# Allegro board 1156197-TDI_VU3P_QSFP28_CXP_V001_1023A-166-20241121_1644_PCB.brd (continued)
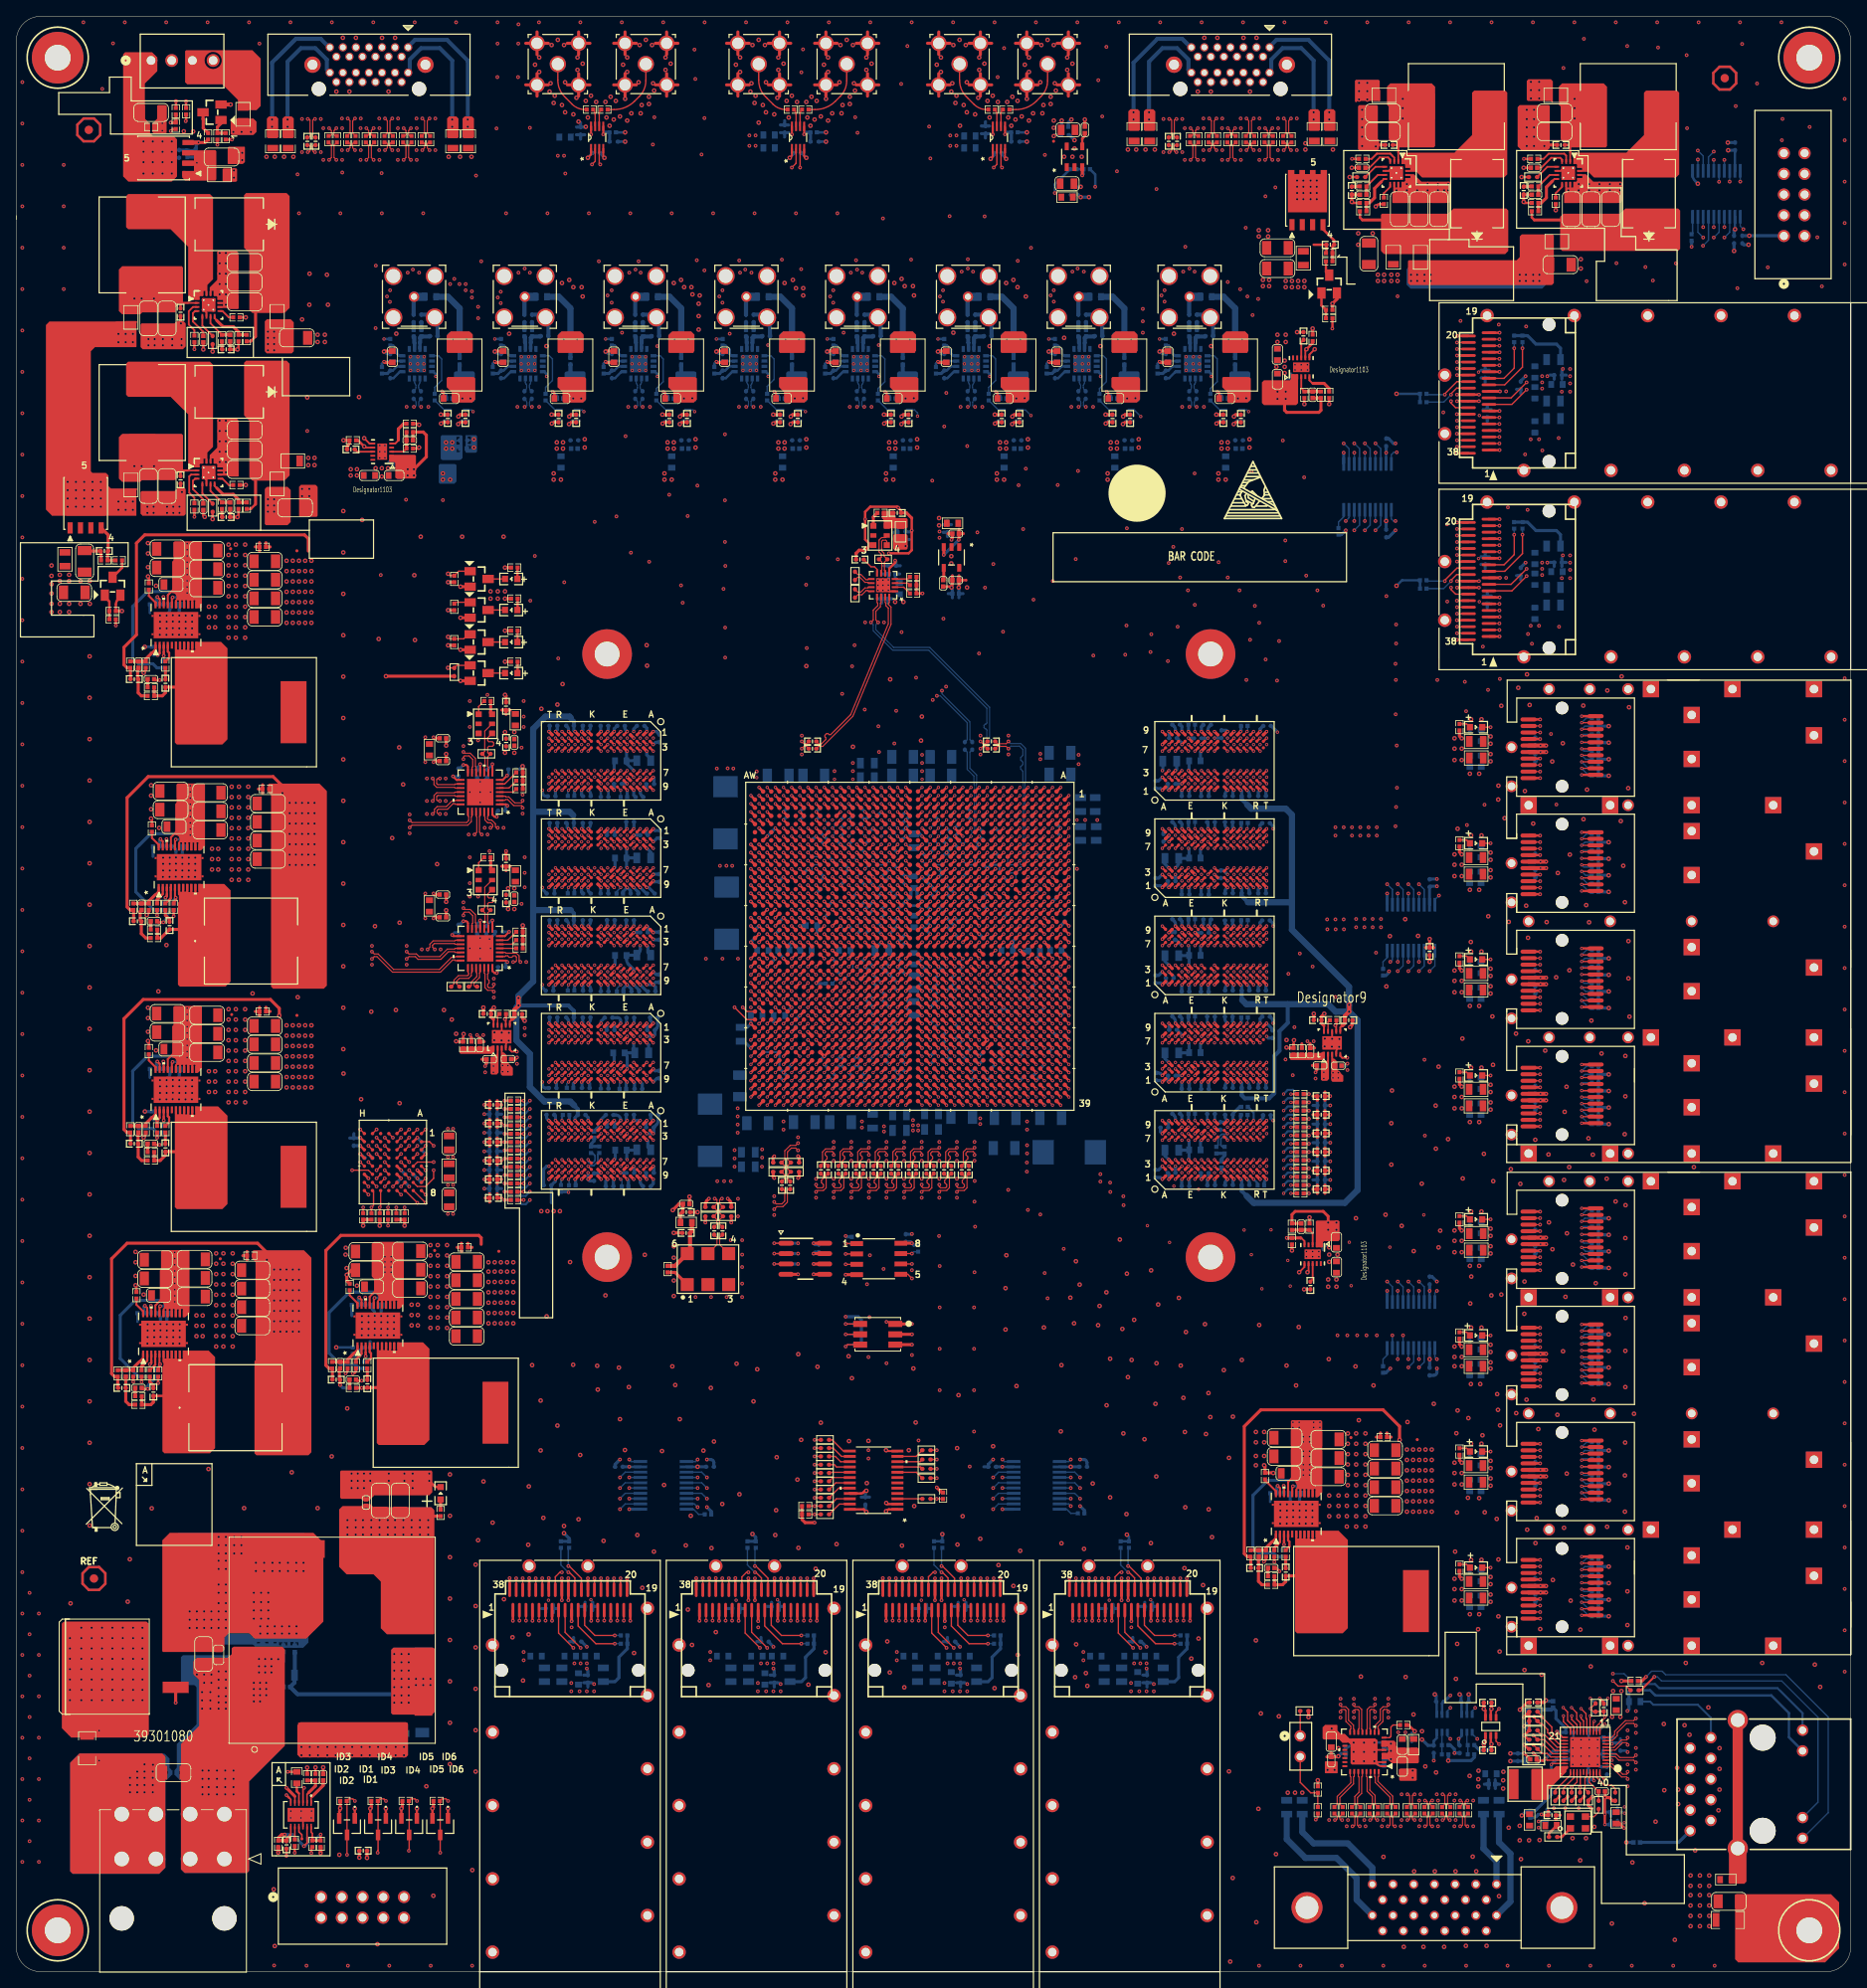
[diagram p0: board, top side]
## Copper pours and planes (outline as drawn; the poured copper is in the pictures) (continued)
CHA_1V25_CXP7 on BOTTOM: 133.73,185.55 133.6,185.67 133.6,188.47 133.73,188.59 136.14,188.59 136.27,188.47 136.27,185.8 136.02,185.55 ; 3 cut-outs
CHA_1V25_CXP7 on ART12: 127.38,200.66 127.66,200.38 127.66,197.64 127.38,197.36 126.16,197.36 126.03,197.23 126.03,195.81 126.77,195.07 130.68,195.07 131.83,196.22 133.22,196.22 133.35,196.09 133.35,194.56 133.1,194.31 133.1,190.75 133.35,190.5 133.99,190.5 135.51,188.98 135.51,187.07 135.13,186.69 130.3,186.69 124.71,192.28 124.71,200.53 124.84,200.66
CHA_1V25_CXP8 on BOTTOM: 147.32,185.55 147.19,185.67 147.19,188.47 147.32,188.59 149.73,188.59 149.86,188.47 149.86,185.8 149.61,185.55 ; 3 cut-outs
CHA_1V25_CXP8 on ART12: 140.97,200.66 141.25,200.38 141.25,197.64 140.97,197.36 139.75,197.36 139.62,197.23 139.62,195.81 140.36,195.07 144.27,195.07 145.41,196.22 146.81,196.22 146.94,196.09 146.94,194.56 146.69,194.31 146.69,190.75 146.94,190.5 147.57,190.5 149.1,188.98 149.1,187.07 148.72,186.69 143.89,186.69 138.3,192.28 138.3,200.53 138.43,200.66
CHA_12V_FAN on TOP (solid shape): 17.3,234.95 17.3,233.27 15.77,231.75 15.77,227.43 16.41,226.8 16.41,225.65 16.79,225.27 19.33,225.27 19.71,224.89 19.71,220.34 19.08,219.71 13.74,219.71 13.1,220.34 13.1,235.35 13.34,235.59 16.66,235.59
CHA_12V_FAN on BOTTOM: 19.46,224.66 19.46,220.6 19.2,220.34 15.27,220.34 15.01,220.6 15.01,224.69 15.24,224.92 19.2,224.92
CHA_24V_1 on TOP (solid shape): 33.53,197.36 33.53,183.64 32.89,183.01 28.96,183.01 28.57,183.39 28.57,190.37 27.94,191.01 27.94,197.49 28.19,197.74 33.15,197.74
CHA_24V_2 on TOP (solid shape): 33.53,217.93 33.53,204.22 32.89,203.58 28.96,203.58 28.57,203.96 28.57,210.95 27.94,211.58 27.94,218.06 28.19,218.31 33.15,218.31
CHA_24V_3 on TOP (solid shape): 183.01,216.15 183.01,211.2 182.63,210.82 167.77,210.82 167.39,211.2 167.39,215.65 167.51,215.77 175.64,215.77 176.28,216.41 182.75,216.41
CHA_24V_4 on TOP (solid shape): 204.09,216.15 204.09,211.46 203.84,211.2 189.61,211.2 189.36,211.46 189.36,215.39 189.74,215.77 196.72,215.77 197.36,216.41 203.84,216.41
CHA_CXP2_1V25 on TOP (solid shape): 157.23,196.01 157.23,192.53 156.97,192.28 153.03,192.28 152.78,192.53 152.78,195.07 153.03,195.33 156.21,195.33 156.34,195.45 156.34,196.04 156.39,196.09 157.15,196.09
CHA_CXP2_1V25 on BOTTOM: 121.79,185.04 121.92,184.91 121.92,182.88 121.67,182.63 119.89,182.63 119.76,182.75 119.76,184.91 119.89,185.04
CHA_CXP2_1V25 on BOTTOM: 108.2,185.04 108.33,184.91 108.33,182.88 108.08,182.63 106.3,182.63 106.17,182.75 106.17,184.91 106.3,185.04
CHA_CXP2_1V25 on BOTTOM: 135.38,185.04 135.51,184.91 135.51,182.88 135.25,182.63 133.48,182.63 133.35,182.75 133.35,184.91 133.48,185.04
CHA_CXP2_1V25 on BOTTOM: 154.18,195.07 156.84,195.07 157.1,194.82 157.1,192.79 156.72,192.41 154.18,192.41 154.05,192.53 154.05,194.94
CHA_CXP2_1V25 on BOTTOM: 148.97,185.04 149.1,184.91 149.1,182.88 148.84,182.63 147.07,182.63 146.94,182.75 146.94,184.91 147.07,185.04
CHA_CXP2_1V25 on ART05: 152.15,186.31 152.91,187.07 152.91,194.69 153.67,195.45 161.04,195.45 161.8,194.69 161.8,180.21 160.53,178.94 105.79,178.94 105.41,179.32 105.41,185.55 106.17,186.31
CHA_CXP_1V25 on TOP (solid shape): 49.02,186.06 49.02,183.39 48.9,183.26 46.61,183.26 46.48,183.39 46.48,185.17 46.35,185.29 45.77,185.29 45.72,185.34 45.72,186.11 45.8,186.18 48.9,186.18
CHA_CXP_1V25 on BOTTOM (solid shape): 53.98,184.91 53.98,182.88 53.72,182.63 51.94,182.63 51.82,182.75 51.82,184.91 51.94,185.04 53.85,185.04
CHA_CXP_1V25 on BOTTOM: 49.02,183.01 46.86,183.01 46.61,183.26 46.61,184.15 46.74,184.28 46.74,185.8 46.86,185.93 48.9,185.93 49.28,185.55 49.28,183.26
CHA_CXP_1V25 on BOTTOM: 67.44,185.04 67.56,184.91 67.56,182.88 67.31,182.63 65.53,182.63 65.41,182.75 65.41,184.91 65.53,185.04
CHA_CXP_1V25 on BOTTOM: 81.03,185.04 81.15,184.91 81.15,182.88 80.9,182.63 79.12,182.63 78.99,182.75 78.99,184.91 79.12,185.04
CHA_CXP_1V25 on BOTTOM: 94.61,185.04 94.74,184.91 94.74,182.88 94.49,182.63 92.71,182.63 92.58,182.75 92.58,184.91 92.71,185.04
CHA_CXP_1V25 on ART12: 93.73,176.66 45.72,176.66 43.31,179.07 43.31,190.12 43.56,190.37 49.78,190.37 50.16,189.99 50.16,186.18 52.2,184.15 93.98,184.15 94.36,183.77 94.36,177.29
CHA_CXP_24V_1 on TOP (solid shape): 33.66,181.86 33.66,177.93 33.27,177.55 30.61,177.55 30.48,177.67 30.48,181.99 30.73,182.25 33.27,182.25
CHA_CXP_24V_1 on TOP (solid shape): 56.3,195.54 56.3,192.97 55.92,192.59 53.53,192.59 53.4,192.71 53.4,193.86 52.79,194.47 52.79,195.59 52.93,195.72 56.12,195.72
CHA_CXP_24V_1 on TOP (solid shape): 69.89,195.54 69.89,192.97 69.51,192.59 67.12,192.59 66.99,192.71 66.99,193.86 66.38,194.47 66.38,195.59 66.52,195.72 69.71,195.72
CHA_CXP_24V_1 on BOTTOM (solid shape): 56.24,196.27 56.24,192.81 56.13,192.71 54.48,192.71 54.28,192.91 54.28,193.73 53.67,194.34 53.67,196.24 53.85,196.42 56.08,196.42
CHA_CXP_24V_1 on BOTTOM (solid shape): 69.82,196.27 69.82,192.81 69.72,192.71 68.07,192.71 67.87,192.91 67.87,193.73 67.26,194.34 67.26,196.24 67.44,196.42 69.67,196.42
CHA_CXP_24V_1 on ART05: 32.51,195.07 69.34,195.07 71.5,192.91 71.5,182.5 67.69,178.69 30.86,178.69 30.35,179.2 30.35,192.91
CHA_CXP_24V_2 on TOP (solid shape): 34.04,202.44 34.04,198.88 33.78,198.63 30.72,198.63 30.48,198.87 30.48,202.56 30.73,202.82 33.66,202.82
CHA_CXP_24V_2 on TOP (solid shape): 83.48,195.54 83.48,192.97 83.1,192.59 80.71,192.59 80.58,192.71 80.58,193.86 79.97,194.47 79.97,195.59 80.11,195.72 83.3,195.72
CHA_CXP_24V_2 on TOP (solid shape): 97.07,195.54 97.07,192.97 96.69,192.59 94.3,192.59 94.17,192.71 94.17,193.86 93.56,194.47 93.56,195.59 93.69,195.72 96.89,195.72
CHA_CXP_24V_2 on BOTTOM (solid shape): 83.41,196.27 83.41,192.81 83.31,192.71 81.66,192.71 81.46,192.91 81.46,193.73 80.85,194.34 80.85,196.24 81.03,196.42 83.26,196.42
CHA_CXP_24V_2 on BOTTOM (solid shape): 97,196.27 97,192.81 96.9,192.71 95.25,192.71 95.05,192.91 95.05,193.73 94.44,194.34 94.44,196.24 94.61,196.42 96.85,196.42
CHA_CXP_24V_2 on TOP: 37.08,186.44 37.08,184.78 36.83,184.53 34.54,184.53 34.29,184.78 34.29,186.44 34.42,186.56 36.96,186.56
CHA_CXP_24V_2 on ART07: 81.79,194.94 79.88,193.04 79.88,189.99 79.38,189.48 55.3,189.48 54.71,188.9 48.46,188.9 46.86,190.5 46.86,194.31 46.23,194.94 44.83,194.94 43.43,196.34 43.43,200.41 41.33,202.51 36.12,202.51 35.46,201.85 30.3,201.85 28.73,200.28 28.73,178.41 30.31,176.82 100.75,176.82 101.22,177.29 101.22,194.18 100.46,194.94
CHA_CXP_24V_3 on TOP (solid shape): 110.66,195.54 110.66,192.97 110.28,192.59 107.89,192.59 107.76,192.71 107.76,193.86 107.15,194.47 107.15,195.59 107.28,195.72 110.48,195.72
CHA_CXP_24V_3 on TOP (solid shape): 124.25,195.54 124.25,192.97 123.86,192.59 121.48,192.59 121.35,192.71 121.35,193.86 120.74,194.47 120.74,195.59 120.87,195.72 124.07,195.72
CHA_CXP_24V_3 on BOTTOM (solid shape): 110.59,196.27 110.59,192.81 110.49,192.71 108.84,192.71 108.64,192.91 108.64,193.73 108.03,194.34 108.03,196.24 108.2,196.42 110.44,196.42
CHA_CXP_24V_3 on BOTTOM (solid shape): 124.18,196.27 124.18,192.81 124.08,192.71 122.43,192.71 122.22,192.91 122.22,193.73 121.62,194.34 121.62,196.24 121.79,196.42 124.03,196.42
CHA_CXP_24V_3 on TOP: 165.1,207.01 164.85,207.26 164.85,210.06 164.97,210.19 169.93,210.19 170.05,210.06 170.05,207.26 169.8,207.01
CHA_CXP_24V_3 on ART07: 169.8,208.91 170.18,208.53 170.18,207.14 170.56,206.76 170.56,180.85 168.66,178.94 161.93,178.94 157.35,174.37 111.76,174.37 110.49,175.64 106.55,175.64 105.03,177.16 105.03,194.44 105.54,194.94 119.89,194.94 120.02,195.07 126.11,195.07 127.38,193.8 127.38,191.52 129.67,189.23 150.62,189.23 152.27,190.88 152.27,202.37 153.8,203.9 157.8,203.9 162.81,208.91
CHA_CXP_24V_4 on TOP (solid shape): 137.83,195.54 137.83,192.97 137.45,192.59 135.06,192.59 134.94,192.71 134.94,193.86 134.33,194.47 134.33,195.59 134.46,195.72 137.66,195.72
CHA_CXP_24V_4 on TOP (solid shape): 151.42,195.54 151.42,192.97 151.04,192.59 148.65,192.59 148.53,192.71 148.53,193.86 147.91,194.47 147.91,195.59 148.05,195.72 151.25,195.72
CHA_CXP_24V_4 on TOP (solid shape): 188.59,213.11 188.59,207.26 188.34,207.01 170.94,207.01 170.69,207.26 170.69,209.93 170.81,210.06 184.02,210.06 184.4,210.44 184.4,212.98 184.66,213.23 188.47,213.23
CHA_CXP_24V_4 on BOTTOM (solid shape): 187.81,208.74 187.81,207.21 187.17,206.58 170.99,206.58 170.54,207.04 170.54,208.97 170.89,209.32 187.22,209.32
CHA_CXP_24V_4 on BOTTOM (solid shape): 137.77,196.27 137.77,192.81 137.67,192.71 136.02,192.71 135.81,192.91 135.81,193.73 135.2,194.34 135.2,196.24 135.38,196.42 137.62,196.42
CHA_CXP_24V_4 on BOTTOM (solid shape): 151.36,196.27 151.36,192.81 151.26,192.71 149.61,192.71 149.4,192.91 149.4,193.73 148.79,194.34 148.79,196.24 148.97,196.42 151.21,196.42
CHA_CXP_24V_4 on ART03: 173.86,206.76 172.85,205.74 172.85,181.99 171.07,180.21 134.24,180.21 131.95,182.5 131.95,191.39 134.62,194.06 152.53,194.06 154.18,195.71 158.88,195.71 160.4,197.23 160.4,210.95 160.78,211.33 173.61,211.33 173.86,211.07
CHA_DDR4_2V5 on TOP (solid shape): 162.31,92.08 162.31,89.79 162.18,89.66 160.4,89.66 160.27,89.53 160.27,88.95 160.22,88.9 159.46,88.9 159.38,88.98 159.38,92.08 159.51,92.2 162.18,92.2
CHA_DDR4_2V5 on BOTTOM: 162.43,89.92 159.51,89.92 159.26,89.66 157.73,89.66 157.1,89.03 157.1,68.07 155.32,66.29 63.5,66.29 62.23,67.56 62.23,92.84 64.26,94.87 67.94,94.87 68.45,94.36 68.45,89.28 67.31,88.14 67.31,86.87 68.45,85.72 68.45,78.74 70.8,76.39 145.1,76.39 149.73,81.03 149.73,91.31 151.64,93.22 162.18,93.22 162.56,92.84 162.56,90.04
CHA_DDR4_2V5 on POWER09: 162.18,90.55 144.53,90.55 140.97,94.11 140.97,152.53 141.99,153.54 154.69,153.54 162.69,145.54 162.69,91.06
CHA_DDR4_2V5 on ART14: 54.23,104.78 52.96,106.05 52.96,126.11 55.37,128.52 55.37,129.16 56.01,129.79 61.47,129.79 62.99,131.32 62.99,153.67 63.5,154.18 77.34,154.18 77.72,153.8 77.72,151.89 77.6,151.76 77.22,151.76 76.96,152.02 76.96,152.4 76.71,152.65 71.37,152.65 71.25,152.53 71.25,144.78 71.63,144.4 77.47,144.4 77.72,144.15 77.72,139.32 77.6,139.19 77.09,139.19 76.96,139.32 76.96,140.59 76.71,140.84 71.5,140.84 71.25,140.59 71.25,132.84 71.63,132.46 77.47,132.46 77.72,132.21 77.72,127.25 77.6,127.13 77.09,127.13 76.96,127.25 76.96,128.52 76.71,128.78 71.5,128.78 71.25,128.52 71.25,120.14 70.99,119.89 63.75,119.89 61.72,117.86 61.72,114.43 62.1,114.05 63.5,114.05 64.01,114.55 64.01,117.09 64.39,117.47 78.36,117.47 78.74,117.09 78.74,103.89 78.61,103.76 77.09,103.76 76.96,103.89 76.96,104.78 76.71,105.03 70.87,105.03 70.74,105.16 70.74,107.31 70.17,107.89 61.79,107.89 61.47,107.57 61.47,94.36 61.85,93.98 67.06,93.98 67.44,93.6 67.44,92.41 65.58,90.55 56.52,90.55 55.24,91.82 55.24,93.73 54.23,94.74
CHA_DDR4_C1_VTT on TOP (solid shape): 59.66,112.89 59.72,112.83 59.82,112.83 60.17,112.47 60.17,111.68 60.91,110.95 60.91,110.06 60.83,109.98 59.59,109.98 59.42,110.15 59.42,113.66 59.66,113.66
CHA_DDR4_C1_VTT on TOP: 58.7,94.56 58.7,108.99 59.44,109.73 59.44,110.62 59.56,110.74 60.83,110.74 60.96,110.62 60.96,108.33 60.2,107.57 60.2,94.51 60.15,94.46 58.8,94.46
CHA_DDR4_C1_VTT on BOTTOM: 59.34,112.32 59.49,112.47 60.1,112.47 60.17,112.39 60.17,111.66 60.96,110.87 60.96,108.84 60.2,108.08 60.2,106.68 60.07,106.55 58.93,106.55 58.74,106.74 58.74,109.41 59.34,110.01
CHA_DDR4_C1_VTT on BOTTOM: 58.93,94.21 58.7,94.44 58.7,107.06 58.95,107.31 60.06,107.31 60.19,107.19 60.19,94.48 59.92,94.21
CHA_DDR4_C2_VTT on TOP (solid shape): 161.51,112.12 161.57,112.06 161.67,112.06 162.03,111.71 162.03,110.72 162.76,109.98 162.76,109.3 162.69,109.22 161.44,109.22 161.27,109.39 161.27,112.9 161.51,112.9
CHA_DDR4_C2_VTT on TOP: 159.87,107.87 159.87,95.38 159.61,95.12 158.5,95.12 158.37,95.25 158.37,107.92 158.42,107.98 159.77,107.98
CHA_DDR4_C2_VTT on BOTTOM: 159.64,108.23 159.87,108 159.87,95.38 159.61,95.12 158.51,95.12 158.38,95.25 158.38,107.96 158.65,108.23
CHA_DDR4_C2_VTT on BOTTOM: 161.54,109.09 161.19,109.44 161.19,111.56 161.34,111.71 161.95,111.71 162.03,111.63 162.03,110.9 162.81,110.11 162.81,109.35 162.56,109.09
CHA_DDR4_C2_VTT on ART03: 158.24,95.25 162.05,95.25 163.83,97.03 163.83,109.98 163.45,110.36 163.07,110.36 162.94,110.49 162.94,110.87 162.69,111.12 158.24,111.12 157.86,110.74 157.86,95.63
CHA_DDR4_C2_VTT on ART07: 162.56,111 158.24,111 157.86,110.62 157.86,95.12 158.12,94.87 162.56,94.87 162.81,95.12 162.81,110.74
CHA_MGTAVCC on TOP (solid shape): 38.1,144.91 38.1,121.03 37.72,120.65 31.5,120.65 31.24,120.9 31.24,144.4 30.86,144.78 30.86,145.69 30.99,145.82 37.19,145.82
CHA_MGTAVCC on BOTTOM: 125.48,145.8 127.13,145.8 127.51,146.18 127.51,150.5 127.25,150.75 125.48,150.75 125.22,150.5 125.22,146.05
CHA_MGTAVCC on BOTTOM: 116.46,103.12 116.33,103.25 116.33,105.66 116.46,105.79 118.24,105.79 118.49,105.54 118.49,103.25 118.36,103.12
CHA_MGTAVCC on BOTTOM: 101.85,105.79 101.73,105.66 101.73,103.12 101.85,103 103.89,103 104.01,103.12 104.01,105.66 103.89,105.79
CHA_MGTAVCC on ART05: 33.78,130.43 60.58,130.43 60.64,130.49 62.55,130.49 63.37,131.32 63.37,144.48 63.07,144.78 63.07,154.51 64.77,156.21 84.2,156.21 92.96,147.45 95.48,147.45 97.08,145.85 98.12,145.85 98.55,145.41 98.55,144.91 98.73,144.73 99.26,144.73 99.44,144.55 99.44,144.15 99.83,143.75 100.29,143.75 100.48,143.56 100.48,143.23 100.99,142.72 101.32,142.72 101.45,142.6 101.45,141.88 101.57,141.76 102.26,141.76 102.46,141.55 102.46,139.78 103.4,138.84 103.4,133.48 102.97,133.05 101.19,133.05 100.46,132.31 100.46,130.05 99.44,129.03 99.44,122.43 98.55,121.54 98.55,103.28 99.47,102.36 124.33,102.36 124.71,102.74 124.71,132.46 124.33,132.84 123.29,132.84 122.73,133.4 122.73,135.59 120.65,137.67 120.65,146.3 122.68,148.34 125.48,148.34 125.98,148.84 125.98,160.4 110.58,175.81 103.98,175.81 103.63,176.15 70.36,176.15 69.34,175.13 31.75,175.13 30.73,174.12 30.73,133.48
CHA_MGTAVTT on TOP: 30.61,175.54 36.8,175.54 37.72,174.62 37.72,150.75 37.34,150.37 31.37,150.37 30.86,150.88 30.86,174.12 30.35,174.62 30.35,175.29
CHA_MGTAVTT on BOTTOM: 94.23,105.41 93.85,105.03 93.85,103 93.98,102.87 95.89,102.87 96.01,103 96.01,105.16 95.76,105.41
CHA_MGTAVTT on BOTTOM: 122.05,105.66 126.11,105.66 126.24,105.54 126.24,103.38 125.98,103.12 122.05,103.12 121.92,103.25 121.92,105.54
CHA_MGTAVTT on BOTTOM: 98.55,148.08 98.3,147.83 98.3,146.05 98.55,145.8 100.48,145.8 100.69,146 100.69,147.78 100.38,148.08
CHA_MGTAVTT on BOTTOM: 92.71,145.8 90.68,145.8 90.42,146.05 90.42,147.96 90.55,148.08 92.71,148.08 92.84,147.96 92.84,145.92
CHA_MGTAVTT on ART03: 90.81,146.05 91.52,145.34 91.52,139.62 92.46,138.68 93.22,138.68 93.34,138.56 93.34,136.14 93.73,135.76 94.36,135.76 94.49,135.64 94.49,132.08 94.87,131.7 95.25,131.7 95.5,131.44 95.5,129.03 95.89,128.65 96.52,128.65 97.54,127.64 97.54,121.16 97.41,121.03 94.61,121.03 94.36,120.78 94.36,120.14 94.23,120.02 93.85,120.02 93.47,119.63 93.45,119.63 93.45,118.24 93.22,118.01 92.84,118.01 92.46,117.63 92.46,113.28 92.2,113.03 90.68,113.03 90.42,112.78 90.42,104.52 91.82,103.12 96.39,103.12 97.16,102.36 127.99,102.36 128.65,103.02 128.65,112.27 128.02,112.9 126.75,112.9 126.49,112.65 126.49,112.14 126.24,111.89 122.05,111.89 121.79,112.14 121.79,137.54 121.92,137.67 123.32,137.67 123.7,138.05 123.7,138.56 123.95,138.81 128.4,138.81 128.65,139.06 128.65,140.59 128.78,140.72 130.3,140.72 130.68,141.1 130.68,141.73 134.49,145.54 134.49,175.39 129.03,180.85 129.03,194.06 128.02,195.07 30.35,195.07 29.72,194.44 29.72,155.57 31.88,153.42 72.52,153.42 73.79,154.69 86.74,154.69 90.81,150.62 90.81,147.96 90.55,147.7 90.55,146.33 90.81,146.08
CHA_MGTVCCAUX on TOP: 115.34,169.27 115.34,172.69 115.47,172.82 116.87,172.82 116.99,172.69 116.99,169.14 116.87,169.01 115.6,169.01
CHA_MGTVCCAUX on BOTTOM: 115.34,171.3 115.47,171.42 116.99,171.42 117.12,171.3 117.12,168.66 116.92,168.45 115.37,168.45 115.34,168.48
CHA_MGTVCCAUX on ART14: 113.92,115.95 113.67,116.2 113.67,117.47 112.78,118.36 112.78,134.37 113.67,135.25 113.67,137.54 113.92,137.79 115.44,137.79 115.7,138.05 115.7,142.62 115.44,142.88 105.11,142.88 104.78,143.21 104.78,145.64 104.9,145.77 104.9,155.17 107.86,158.13 107.86,158.14 108.25,158.53 108.25,159.82 117.6,169.16 117.6,171.45 116.71,172.34 114.43,172.34 114.17,172.59 101.35,172.59 96.01,167.26 96.01,153.54 96.9,152.65 96.9,147.83 96.39,147.32 96.39,141.05 96.67,140.77 98.25,140.77 98.42,140.59 98.42,135.13 98.81,134.75 101.73,134.75 102.87,133.6 104.24,133.6 104.44,133.4 104.44,120.19 104.27,120.02 103.76,120.02 103.5,119.76 103.5,118.36 103.12,117.98 102.87,117.98 102.62,117.73 102.62,111 102.87,110.74 116.46,110.74 116.59,110.87 116.59,112.52 116.2,112.9 115.95,112.9 115.7,113.16 115.7,115.57 115.32,115.95
CHA_QSFP2_VCCI on BOTTOM: 182.97,189.75 182.48,190.24 182.48,191.63 182.23,191.89 181.57,191.89 181.19,191.51 179.79,191.51 179.53,191.77 176.61,191.77 176.49,191.89 176.49,192.86 176.6,192.97 182.89,192.97 184.5,191.36 188.07,191.36 188.17,191.26 188.17,190 187.92,189.75
CHA_QSFP2_VCCRX on BOTTOM: 184.91,194.18 184.91,193.8 185.03,193.68 188.03,193.68 188.17,193.54 188.17,192.03 187.92,191.78 184.78,191.78 183.14,193.42 181.82,193.42 181.69,193.54 181.69,194.15 181.84,194.31 183.01,194.31 183.14,194.43 184.66,194.43
CHA_QSFP2_VCCTX on BOTTOM: 176.49,193.52 176.49,194.95 177.12,195.58 179.41,195.58 179.65,195.82 181.23,195.82 181.36,195.96 182.11,195.96 182.56,196.4 182.56,198.44 182.86,198.74 187.92,198.74 188.17,198.49 188.17,196.84 188.05,196.72 184.82,196.72 182.84,194.74 181.54,194.74 181.21,194.41 181.21,193.5 181.08,193.37 176.64,193.37
CHA_QSFP3_VCCI on BOTTOM: 182.97,166.86 182.48,167.35 182.48,168.75 182.23,169 181.57,169 181.19,168.63 179.79,168.63 179.53,168.88 176.61,168.88 176.49,169.01 176.49,169.97 176.6,170.09 182.89,170.09 184.5,168.47 188.07,168.47 188.17,168.37 188.17,167.12 187.92,166.86
CHA_QSFP3_VCCRX on BOTTOM: 185.21,170.8 188.03,170.8 188.17,170.66 188.17,169.15 187.92,168.9 184.78,168.9 183.14,170.53 181.82,170.53 181.69,170.66 181.69,171.27 181.84,171.42 183.01,171.42 183.15,171.56 184.68,171.56 184.94,171.3 184.94,171.07
CHA_QSFP3_VCCTX on BOTTOM: 176.49,170.63 176.49,172.06 177.12,172.69 179.41,172.69 179.65,172.94 181.23,172.94 181.39,173.1 182.25,173.1 182.56,173.41 182.56,175.55 182.86,175.86 187.92,175.86 188.17,175.6 188.17,173.96 188.05,173.83 184.82,173.83 182.84,171.85 181.54,171.85 181.21,171.52 181.21,170.61 181.08,170.49 176.64,170.49
CHA_QSFP4_VCCI on BOTTOM: 63.89,42.03 64.38,42.52 65.78,42.52 66.03,42.77 66.03,43.43 65.66,43.81 65.66,45.21 65.91,45.47 65.91,48.39 66.04,48.51 67.01,48.51 67.12,48.4 67.12,42.11 65.51,40.5 65.51,36.93 65.41,36.83 64.15,36.83 63.89,37.08
CHA_QSFP4_VCCRX on BOTTOM: 68.74,41.7 68.74,40.65 68.35,40.26 68.07,40.26 67.83,40.02 67.83,36.97 67.69,36.83 66.18,36.83 65.93,37.08 65.93,40.22 67.56,41.86 67.56,43.18 67.69,43.31 68.3,43.31 68.45,43.15 68.45,41.99
CHA_QSFP4_VCCTX on BOTTOM: 67.67,48.5 69.1,48.5 69.72,47.88 69.72,45.59 69.97,45.35 69.97,43.94 70.23,43.68 70.23,42.8 70.59,42.44 72.59,42.44 72.89,42.14 72.89,37.08 72.63,36.83 70.99,36.83 70.87,36.95 70.87,40.18 68.88,42.16 68.88,43.46 68.55,43.79 67.64,43.79 67.52,43.92 67.52,48.36
CHA_QSFP5_VCCI on BOTTOM: 86.78,42.03 87.27,42.52 88.67,42.52 88.92,42.77 88.92,43.43 88.54,43.81 88.54,45.21 88.8,45.47 88.8,48.39 88.93,48.51 89.89,48.51 90,48.4 90,42.11 88.39,40.5 88.39,36.93 88.29,36.83 87.03,36.83 86.78,37.08
CHA_QSFP5_VCCRX on BOTTOM: 91.62,41.7 91.62,40.65 91.24,40.26 90.96,40.26 90.72,40.02 90.72,36.97 90.58,36.83 89.07,36.83 88.81,37.08 88.81,40.22 90.45,41.86 90.45,43.18 90.58,43.31 91.19,43.31 91.34,43.15 91.34,41.99
CHA_QSFP5_VCCTX on BOTTOM: 90.55,48.5 91.98,48.5 92.61,47.88 92.61,45.59 92.86,45.35 92.86,43.94 93.09,43.71 93.09,42.67 93.32,42.44 95.47,42.44 95.78,42.14 95.78,37.08 95.52,36.83 93.88,36.83 93.75,36.95 93.75,40.18 91.77,42.16 91.77,43.46 91.44,43.79 90.53,43.79 90.4,43.92 90.4,48.36
CHA_QSFP6_VCCI on BOTTOM: 109.67,42.03 110.15,42.52 111.55,42.52 111.8,42.77 111.8,43.43 111.43,43.81 111.43,45.21 111.68,45.47 111.68,48.39 111.81,48.51 112.78,48.51 112.89,48.4 112.89,42.11 111.28,40.5 111.28,36.93 111.18,36.83 109.92,36.83 109.67,37.08
CHA_QSFP6_VCCRX on BOTTOM: 114.51,41.7 114.51,40.65 114.12,40.26 113.84,40.26 113.6,40.02 113.6,36.97 113.46,36.83 111.95,36.83 111.7,37.08 111.7,40.22 113.33,41.86 113.33,43.18 113.46,43.31 114.07,43.31 114.22,43.15 114.22,41.99
CHA_QSFP6_VCCTX on BOTTOM: 113.44,48.5 114.87,48.5 115.74,47.63 115.74,43.94 115.95,43.73 115.95,42.8 116.31,42.44 118.36,42.44 118.66,42.14 118.66,37.08 118.41,36.83 116.76,36.83 116.64,36.95 116.64,40.18 114.66,42.16 114.66,43.46 114.33,43.79 113.42,43.79 113.29,43.92 113.29,48.36
CHA_QSFP7_VCCI on BOTTOM: 132.55,42.03 133.04,42.52 134.44,42.52 134.69,42.77 134.69,43.43 134.32,43.81 134.32,45.21 134.57,45.47 134.57,48.39 134.7,48.51 135.66,48.51 135.78,48.4 135.78,42.11 134.16,40.5 134.16,36.93 134.06,36.83 132.81,36.83 132.55,37.08
CHA_QSFP7_VCCRX on BOTTOM: 137.39,41.7 137.39,40.65 137.01,40.26 136.73,40.26 136.49,40.02 136.49,36.97 136.35,36.83 134.84,36.83 134.58,37.08 134.58,40.22 136.22,41.86 136.22,43.18 136.35,43.31 136.96,43.31 137.11,43.15 137.11,41.99
CHA_QSFP7_VCCTX on BOTTOM: 136.32,48.5 137.41,48.5 138.38,47.54 138.38,45.59 138.63,45.35 138.63,43.81 138.78,43.66 138.78,42.83 139.17,42.44 141.24,42.44 141.55,42.14 141.55,37.08 141.29,36.83 139.65,36.83 139.52,36.95 139.52,40.18 137.54,42.16 137.54,43.46 137.21,43.79 136.3,43.79 136.17,43.92 136.17,48.36
CHA_SFP0_VCCRX on TOP: 179.56,48.83 181.08,48.83 181.21,48.7 181.21,47.18 181.08,47.05 179.56,47.05 179.43,47.18 179.43,48.7
CHA_SFP0_VCCRX on BOTTOM: 181.08,47.1 182.3,48.32 183.98,48.32 185.18,47.12 187.76,47.12 187.88,47.24 187.88,47.62 187.76,47.75 185.87,47.75 184.03,49.59 181.46,49.59 180.22,48.35 179.37,48.35 179.28,48.26 179.28,47.2 179.38,47.1
CHA_SFP0_VCCRX on ART05: 181.36,47.21 182.12,47.97 184.66,47.97 185.49,47.14 187.89,47.14 187.96,47.21 187.96,47.59 187.71,47.84 186.69,47.84 185.55,48.99 180.85,48.99 180.47,48.61 180.47,47.34 180.59,47.21
CHA_SFP0_VCCTX on TOP: 179.56,46.67 181.08,46.67 181.21,46.55 181.21,45.02 181.08,44.89 179.56,44.89 179.43,45.02 179.43,46.55
CHA_SFP0_VCCTX on BOTTOM: 181.08,46.67 181.59,46.16 184.28,46.16 184.84,46.73 187.8,46.73 187.91,46.62 187.91,46.3 187.76,46.15 186.51,46.15 186.33,45.97 185.56,45.97 184.4,44.82 180.95,44.82 180.09,45.69 179.4,45.69 179.27,45.81 179.27,46.6 179.35,46.67
CHA_SFP0_VCCTX on ART05: 180.59,46.57 181.1,46.57 181.23,46.45 185.04,46.45 185.42,46.83 187.83,46.83 187.96,46.7 187.96,46.32 187.83,46.19 186.82,46.19 185.67,45.05 180.59,45.05 180.47,45.18 180.47,46.45
CHA_SFP1_VCCRX on TOP: 179.56,63.08 181.08,63.08 181.21,62.95 181.21,61.43 181.08,61.3 179.56,61.3 179.43,61.43 179.43,62.95
CHA_SFP1_VCCRX on BOTTOM: 181.08,61.33 182.3,62.55 183.98,62.55 185.13,61.4 185.13,61.4 187.82,61.4 187.88,61.47 187.88,61.85 187.76,61.98 185.87,61.98 184.03,63.82 181.46,63.82 180.22,62.58 179.37,62.58 179.28,62.48 179.28,61.43 179.38,61.33
CHA_SFP1_VCCRX on ART05: 181.36,61.46 182.12,62.22 184.66,62.22 185.49,61.39 187.89,61.39 187.96,61.46 187.96,61.84 187.71,62.09 186.69,62.09 185.55,63.24 180.85,63.24 180.47,62.86 180.47,61.59 180.59,61.46
CHA_SFP1_VCCTX on TOP: 179.56,60.92 181.08,60.92 181.21,60.79 181.21,59.27 181.08,59.14 179.56,59.14 179.43,59.27 179.43,60.79
CHA_SFP1_VCCTX on BOTTOM: 181.08,60.9 181.59,60.39 184.28,60.39 184.91,61.02 187.79,61.02 187.91,60.9 187.91,60.53 187.76,60.38 186.51,60.38 186.51,60.37 186.23,60.37 186.06,60.2 185.56,60.2 184.4,59.04 180.95,59.04 180.09,59.91 179.4,59.91 179.27,60.04 179.27,60.82 179.35,60.9
CHA_SFP1_VCCTX on ART05: 180.59,60.82 181.1,60.82 181.23,60.7 185.04,60.7 185.42,61.08 187.83,61.08 187.96,60.95 187.96,60.57 187.83,60.44 186.82,60.44 185.67,59.3 180.59,59.3 180.47,59.43 180.47,60.7
CHA_SFP2_VCCRX on TOP: 179.56,77.33 181.08,77.33 181.21,77.21 181.21,75.68 181.08,75.55 179.56,75.55 179.43,75.68 179.43,77.21
CHA_SFP2_VCCRX on BOTTOM: 181.08,75.55 182.3,76.77 183.98,76.77 185.13,75.62 185.13,75.63 187.82,75.63 187.88,75.69 187.88,76.07 187.76,76.2 185.87,76.2 184.03,78.04 181.46,78.04 180.22,76.8 179.37,76.8 179.28,76.71 179.28,75.65 179.38,75.55
CHA_SFP2_VCCRX on ART05: 181.36,75.71 182.12,76.47 184.66,76.47 185.49,75.64 187.89,75.64 187.96,75.71 187.96,76.09 187.71,76.35 186.69,76.35 185.55,77.49 180.85,77.49 180.47,77.11 180.47,75.84 180.59,75.71
CHA_SFP2_VCCTX on TOP: 179.56,75.17 181.08,75.17 181.21,75.05 181.21,73.52 181.08,73.4 179.56,73.4 179.43,73.52 179.43,75.05
CHA_SFP2_VCCTX on BOTTOM: 181.08,75.12 181.59,74.61 184.28,74.61 184.91,75.24 187.79,75.24 187.91,75.13 187.91,74.75 187.76,74.6 186.51,74.6 186.51,74.6 186.23,74.6 186.06,74.42 185.56,74.42 184.4,73.27 180.95,73.27 180.09,74.13 179.4,74.13 179.27,74.26 179.27,75.04 179.35,75.12
CHA_SFP2_VCCTX on ART05: 180.59,75.08 181.1,75.08 181.23,74.95 185.04,74.95 185.42,75.33 187.83,75.33 187.96,75.2 187.96,74.82 187.83,74.7 186.82,74.7 185.67,73.55 180.59,73.55 180.47,73.68 180.47,74.95
CHA_SFP3_VCCRX on TOP: 179.56,91.58 181.08,91.58 181.21,91.45 181.21,89.93 181.08,89.8 179.56,89.8 179.43,89.93 179.43,91.45